# Altium PCB Seeed Case (113x70x25) - Alarm Interface (2560).PcbDoc (part 1 of 2)
Units mil, origin at the board's own origin, x right, y up, seen from the top; angles counter-clockwise.
Board outline 4320.68 x 2627.76 mil, 2 copper layers (Top Layer, Bottom Layer), stack 66.58 mil thick; 127 components, 103 nets, 521 pads, 183 vias.
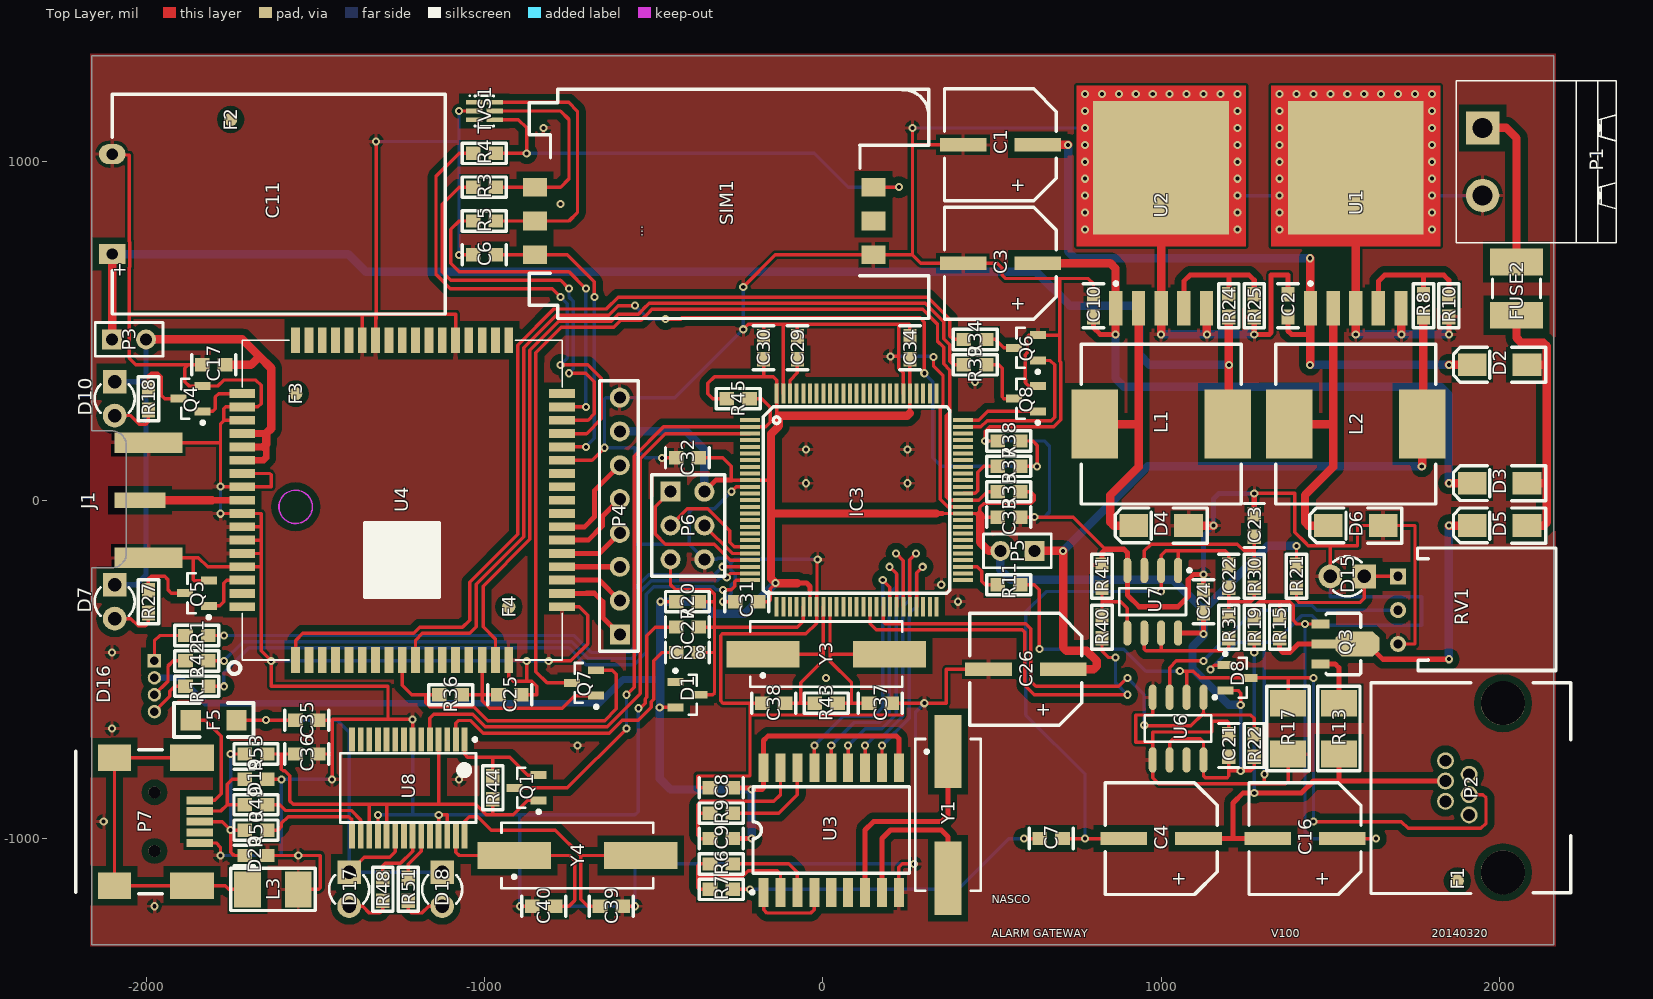
[diagram p0: Top Layer view]
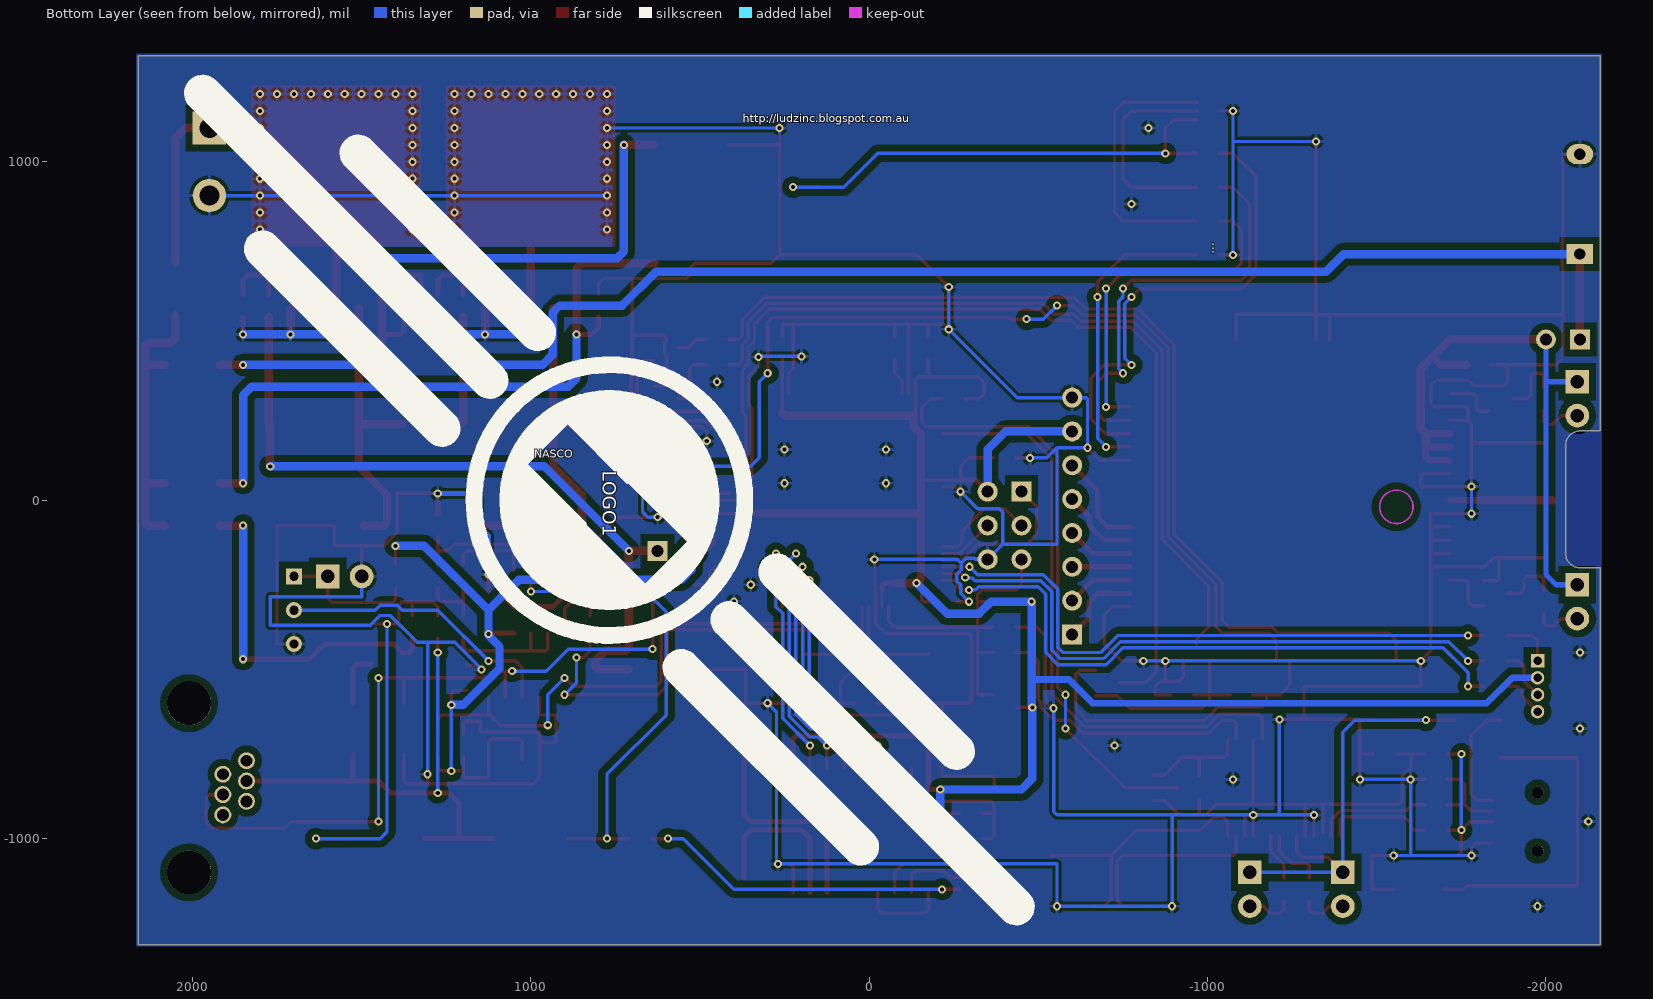
[diagram p1: Bottom Layer view, seen from below]

## Layer stack, top to bottom
Top Layer: signal copper 1.4
Dielectric: core 63.7795, FR-4, Dk 4.8
Bottom Layer: signal copper 1.4

## Board outline
-2160.34,-200.01 -2102.3,-200.01 ccw(c-2102.3,-155.63) -2057.92,-155.63 -2057.92,160.63 ccw(c-2102.3,160.63) -2102.3,205.01 -2160.34,205.01 -2160.34,1313.88 2160.34,1313.88 2160.34,-1313.88 -2160.34,-1313.88

## Design rules (kind name [scope] priority, off if disabled: settings)
Clearance Poly_GND [inPolygon vs not innet (gnd)] p1: gap=20
Clearance Poly_FIDUCIAL [inPolygon vs not innet (gnd)] p2: gap=39.37
Clearance [All] p3: gap=8
PolygonConnect [All] p1: connectstyle=Relief reliefconductorwidth=10 reliefentries=4 polygonreliefangle="90 Angle" airgapwidth=10
RoutingVias [All] p1: holewidth=12 width=24 viastyle="Through Hole" minholewidth=12 minwidth=24 maxholewidth=28 maxwidth=50
SolderMaskExpansion [All] p1: expansion=4
Width Standard [All] p1: maxlimit=25 minlimit=8 preferedwidth=8
Width Power [inNet('VIN')] p2: maxlimit=100 minlimit=8 preferedwidth=25
28 further rules are at their usual default settings.

## Classes and differential pairs
component class "NASCO Alarm Interface": LOGO1
component class "U_Mechanical Info": F1 F2 F3 F4 PLUG
component class "U_Power Supply": C1 C2 C3 C10 C11 C26 D2 D3 D4 D5 D6 FUSE2 L1 L2 P1 P3 P5 R8 R10 R24 R25 U1 U2
component class U_SIM900: C6 C17 C25 D7 D10 J1 P4 Q4 Q5 Q6 Q7 Q8 R3 R4 R5 R18 R27 R34 R35 R36 R37 R38 R39 SIM1 TVS1 U4
component class "U_Telephone Line Emulator": C4 C7 C8 C9 C16 C21 C22 C23 C24 D8 D15 P2 Q3 R6 R7 R9 R11 R13 R15 R17 R19 R21 R22 R30 R31 R40 R41 RV1 U3 U6 U7 Y1
component class U_ATMEGA2560: C27 C28 C29 C30 C31 C32 C33 C34 C37 C38 D1 D16 IC3 P6 R1 R12 R20 R42 R43 Y3
component class U_PL2303(HX): C35 C36 C39 C40 D17 D18 D19 D20 F5 L3 P7 Q1 R44 R45 R48 R49 R50 R51 R53 U8 Y4

## Components (designator, comment, footprint, x,y, rotation, side; value= is the part's Value field where it differs from the comment)
C1 "100uF" "CAP ELECTRO SIZE-E" 525,1050 r90 top
C2 "100nF" "CAP (3D) - 0603" 1375,575 r270 top
C3 "100uF" "CAP ELECTRO SIZE-E" 525,700 r90 top
C4 "100uF" "CAP ELECTRO SIZE-E" 1000,-1000 r90 top
C6 "100nF" "CAP (3D) - 0603" -1000,725 r0 top
C7 "100nF" "CAP (3D) - 0603" 675,-1000 r180 top
C8 "100nF" "CAP (3D) - 0603" -300,-850 r0 top
C9 "100nF" "CAP (3D) - 0603" -300,-1000 r0 top
C10 "100nF" "CAP (3D) - 0603" 800,575 r270 top
C11 "2700uF" "CAP D(16) L(20) P(7.5)" -2100,875 r270 top
C16 "100uF" "CAP ELECTRO SIZE-E" 1425,-1000 r90 top
C17 "100nF" "CAP (3D) - 0603" -1800,400 r0 top
C21 "100nF" "CAP (3D) - 0603" 1200,-725 r270 top
C22 "10nF" "CAP (3D) - 0603" 1200,-225 r270 top
C23 "10nF" "CAP (3D) - 0603" 1275,-75 r270 top
C24 "100nF" "CAP (3D) - 0603" 1125,-300 r270 top
C25 "100nF" "CAP (3D) - 0603" -925,-575 r180 top
C26 "100uF" "CAP ELECTRO SIZE-E" 600,-500 r90 top
C27 "100nF" "CAP (3D) - 0603" -400,-375 r180 top
C28 "100nF" "CAP (3D) - 0603" -400,-450 r180 top
C29 "100nF" "CAP (3D) - 0603" -75,450 r270 top
C30 "100nF" "CAP (3D) - 0603" -175,450 r270 top
C31 "100nF" "CAP (3D) - 0603" -225,-300 r0 top
C32 "100nF" "CAP (3D) - 0603" -400,125 r0 top
C33 "100nF" "CAP (3D) - 0603" 550,-50 r180 top
C34 "100nF" "CAP (3D) - 0603" 257.48,450 r270 top
C35 "100nF" "CAP (3D) - 0603" -1525,-650 r180 top
C36 "100nF" "CAP (3D) - 0603" -1525,-750 r180 top
C37 "22pF" "CAP (3D) - 0603" 170,-600 r180 top
C38 "22pF" "CAP (3D) - 0603" -145,-600 r0 top
C39 "22pF" "CAP (3D) - 0603" -625,-1200 r180 top
C40 "22pF" "CAP (3D) - 0603" -825,-1200 r0 top
D1 "BAV99" SOT23-3L -400,-575 r0 top
D2 "S1M" DO-214AC 2000,400 r180 top
D3 "S1M" DO-214AC 2000,50 r180 top
D4 "CD214A-B340LF" DO-214AC 1000,-75 r180 top
D5 "S1M" DO-214AC 2000,-75 r180 top
D6 "CD214A-B340LF" DO-214AC 1575,-75 r180 top
D7 "LED (RED)" "LED(3D) 3MM RIGHT ANGLE RED" -2092.86,-300 r90 top
D8 "BAV99" SOT23-3L 1225,-525 r0 top
D10 "LED (GREEN)" "LED(3D) 3MM RIGHT ANGLE GREEN" -2092.86,300 r90 top
D15 "LED (RED)" "LED 3MM" 1550,-225 r0 top
D16 "RGB 5mm" "LED(3D) 5MM RIGHT ANGLE (RGB) - COMMON ANODE" -1975,-550 r90 top
D17 "LED (RED)" "LED(3D) 3MM VERTICAL (RED)" -1400,-1150 r90 top
D18 "LED (GREEN)" "LED(3D) 3MM VERTICAL (GREEN)" -1125,-1150 r90 top
D19 "TVS" "TVS (3D) - 0603" -1675,-825 r0 top
D20 "TVS" "TVS (3D) - 0603" -1675,-1050 r0 top
F1 "Fiducial" FIDUCIAL 1875,-1125 r90 top
F2 "Fiducial" FIDUCIAL -1750,1125 r90 top
F3 "Fiducial" FIDUCIAL -1557.82,314.96 r90 top
F4 "Fiducial" FIDUCIAL -927.89,-314.96 r90 top
F5 "160mA" 1206 -1800,-650 r0 top
FUSE2 "500mA" "miniSMD Polyswitch" 2050,625 r270 top
IC3 "ATMEGA2560-16AU" TQFP100 100,0 r0 top
J1 "SMA" "SMA EDGE MOUNT" -2207.86,0 r0 top
L1 "Inductor" "INDUCTOR 12x12x8" 1000,225 r90 top
L2 "Inductor" "INDUCTOR 12x12x8" 1575,225 r90 top
L3 "BEAD" "RES (3D) - 1210" -1625,-1150 r0 top
LOGO1 "NASCO" NASCO_LOGO 775,0 r225 bottom
P1 "Power" "5.08MM HEADER 2 WAY RA- WITH SOCKET" 1950,1100 r270 top
P2 "PHONE" "MOLEXZ RJ11" 1875,-850 r270 top
P3 "Header 2" HDR1X2 -2100,475 r0 top
P4 "Header 8" "HDR1X8 (3D)" -600,-396.85 r90 top
P5 "Header 2" HDR1X2 625,-150 r180 top
P6 "Header 6" "HDR2X3 (3D)" -400,-75 r270 top
P7 "MINI USB" "MINI USB" -1975,-950 r270 top
Q1 "BSS138BK,215" SOT23-3L -875,-850 r180 top
Q3 "BCX56" SOT89 1525,-425 r270 top
Q4 "MMUN2211LT1" SOT23-3L -1867.86,300 r180 top
Q5 "MMUN2211LT1" SOT23-3L -1850,-275 r180 top
Q6 "MMUN2211LT1" SOT23-3L 600,450 r180 top
Q7 "BSS138BK,215" SOT23-3L -705,-540 r180 top
Q8 "MMUN2211LT1" SOT23-3L 600,300 r180 top
R1 "1k" "RES (3D) - 0603" -1850,-400 r0 top
R3 "22R" "RES (3D) - 0603" -1000,925 r180 top
R4 "22R" "RES (3D) - 0603" -1000,1025 r180 top
R5 "22R" "RES (3D) - 0603" -1000,825 r180 top
R6 "100k" "RES (3D) - 0603" -300,-1075 r180 top
R7 "100k" "RES (3D) - 0603" -300,-1150 r0 top
R8 "3k3" "RES (3D) - 0603" 1775,575 r90 top
R9 "300k" "RES (3D) - 0603" -300,-925 r0 top
R10 "1k" "RES (3D) - 0603" 1850,575 r270 top
R11 "0R" "RES (3D) - 0603" 550,-250 r0 top
R12 "22k" "RES (3D) - 0603" -1850,-550 r0 top
R13 "15R 1/2 WATT" "RES (3D) - 1210" 1525,-675 r90 top
R15 "10k" "RES (3D) - 0603" 1350,-375 r90 top
R17 "10R 1/2 WATT" "RES (3D) - 1210" 1375,-675 r90 top
R18 "470R" "RES (3D) - 0603" -1992.86,300 r90 top
R19 "10k" "RES (3D) - 0603" 1275,-375 r270 top
R20 "10k" "RES (3D) - 0603" -400,-300 r0 top
R21 "1k" "RES (3D) - 0603" 1400,-225 r270 top
R22 "10k" "RES (3D) - 0603" 1275,-725 r90 top
R24 "2k2" "RES (3D) - 0603" 1200,575 r90 top
R25 "1k" "RES (3D) - 0603" 1275,575 r270 top
R27 "470R" "RES (3D) - 0603" -1992.86,-300 r90 top
R30 "11k" "RES (3D) - 0603" 1275,-225 r270 top
R31 "11k" "RES (3D) - 0603" 1200,-375 r270 top
R34 "1k" "RES (3D) - 0603" 450,475 r0 top
R35 "10k" "RES (3D) - 0603" 550,25 r180 top
R36 "10k" "RES (3D) - 0603" -1100,-575 r180 top
R37 "22k" "RES (3D) - 0603" 550,100 r180 top
R38 "33k" "RES (3D) - 0603" 550,175 r0 top
R39 "1k" "RES (3D) - 0603" 450,400 r0 top
R40 "10k" "RES (3D) - 0603" 825,-375 r270 top
R41 "10k" "RES (3D) - 0603" 825,-225 r90 top
R42 "1k" "RES (3D) - 0603" -1850,-475 r0 top
R43 "1MEG" "RES (3D) - 0603" 10,-600 r180 top
R44 "10k" "RES (3D) - 0603" -975,-850 r90 top
R45 "10k" "RES (3D) - 0603" -250,300 r0 top
R48 "470R" "RES (3D) - 0603" -1300,-1150 r90 top
R49 "22R" "RES (3D) - 0603" -1675,-900 r180 top
R50 "22R" "RES (3D) - 0603" -1675,-975 r180 top
R51 "470R" "RES (3D) - 0603" -1225,-1150 r90 top
R53 "1k5" "RES (3D) - 0603" -1675,-750 r0 top
RV1 "10k" "TRIMPOT (10 TURN) - RIGHT ANGLE" 1700,-325 r270 top
SIM1 "FCI 7111S2015X02LF" "SIM CARD" -350,825 r180 top
TVS1 "SMF05C" SOT-363 -1000,1150 r270 top
U1 "LM2596" D2-PAK 1575,775 r0 top
U2 "LM2596" D2-PAK 1000,775 r0 top
U3 "MT8870DS" SOIC-18 25,-975 r0 top
U4 "SIM900" SIM900 -1242.86,0 r0 top
U6 "LM393AN" SO-8 1050,-675 r270 top
U7 "LMV932MA" SO-8 975,-300 r270 top
U8 "PL2303" SSOP28 -1225,-850 r180 top
Y1 "3.5795 MHz" HC49/4H_SMX 370,-930 r270 top
Y3 "16MHz" HC49/4H_SMX 10,-455 r0 top
Y4 "12MHz" HC49/4H_SMX -725,-1050 r0 top

## Footprints (in the part's own frame and the unit in brackets; to place one, negate y for a bottom-side part, rotate by r counter-clockwise, add the part's x,y. Pads: shape width x height; smd on the part's side, far side on the other; paste and mask are expansions set on the pad)
"5.08MM HEADER 2 WAY RA- WITH SOCKET" [mm] "PHOENIX CONTACT 1757019 & 1759017"
  rect 2.5x2.5 hole 1.5: 1(0,0)
  round 2.5 hole 1.5: 2(5.08,0)
  silkscreen extent -3.54,-1.98 8.62,10.02, body extent -2.54,-2.01 7.67,19.18, height 15.02
1206 [mil]
  rect 60x60 smd: 1(-67.5,0) 2(67.5,0)
  silkscreen extent -118,-50 118,50, body extent -63,-31 63,31, height 22
"CAP (3D) - 0603" [mm]
  rect 1.1x1 smd: 1(0.85,0) 2(-0.85,0)
  silkscreen extent -1.65,-0.76 1.65,0.76, body extent -0.8,-0.4 0.8,0.4, height 0.92
"CAP D(16) L(20) P(7.5)" [mm] "Polarized Capacitor (Radial); 2 Leads"
  rect 1.5x2 hole 0.85: 1(3.75,0)
  oval 1.5x2 hole 0.85: 2(-3.75,0)
  silkscreen extent -8.25,0 8.25,25, body extent -8.29,0 8.14,25, height 16.22
"CAP ELECTRO SIZE-E" [mm]
  rect 1x3.5 smd: 1(0,-2.8) 2(0,2.8)
  silkscreen extent -4.2,-4.2 4.2,4.2, body extent -4.15,-4.5 4.15,4.5, height 6.2
D2-PAK [mm] "D2-PAK; 5 Leads; Body 14.7 (inc. leads) x 10.2 mm (LxW max)"
  rect 1x2.6 smd: 1(-3.4,-5.275) 2(-1.7,-5.275) 3(0,-5.275) 4(1.7,-5.275) 5(3.4,-5.275)
  rect 10.2x10 smd: 6(0,5.275)
  Top Layer region: -6.349,-0.635 6.351,-0.635 6.351,11.43 -6.349,11.43
  silkscreen extent -3.52,-3.55 -3.28,-3.3, body extent -5,-5.99 5,9.68, height 4.81
DO-214AC [mil]
  rect 85x67 smd: 1(-81,0) 2(81,0)
  silkscreen extent -136,-52 136,52, body extent -79,-39 79,39, height 61
FIDUCIAL [mm]
  round 1 smd mask+1: 0(0,0)
HC49/4H_SMX [mm] "Quartz Crystal, SM; Body 13.4 (inc. leads) x 4.9 mm (LxW max)"
  rect 5.5x2 smd: 1(-4.75,0) 2(4.75,0)
  silkscreen extent -5.7,-2.45 5.7,2.45, body extent -6.36,-2.35 6.34,2.35, height 4.2
HDR1X2 [mm] "Connector; Header; 2 Position"
  rect 1.5x1.5 hole 0.9: 1(0,0)
  round 1.5 hole 0.9: 2(2.54,0)
  silkscreen extent -1.27,-1.27 3.81,1.27
"HDR1X8 (3D)" [mm] "Connector; Header; 8 Position"
  rect 1.5x1.5 hole 0.9: 1(0,0)
  round 1.5 hole 0.9: 2(2.54,0) 3(5.08,0) 4(7.62,0) 5(10.16,0) 6(12.7,0) 7(15.24,0) 8(17.78,0)
  silkscreen extent -1.27,-1.4 19.05,1.52, body extent -1.27,-1.4 19.05,1.52, height 8.53
"HDR2X3 (3D)" [mm]
  rect 1.5x1.5 hole 0.9: 1(-2.54,-1.27)
  round 1.5 hole 0.9: 2(-2.54,1.27) 3(0,-1.27) 4(0,1.27) 5(2.54,-1.27) 6(2.54,1.27)
  silkscreen extent -3.81,-2.67 3.81,2.79, body extent -3.81,-2.67 3.81,2.79, height 8.53
"INDUCTOR 12x12x8" [mm]
  rect 5.2x3.5 smd: 1(0,5) 2(0,-5)
  silkscreen extent -6,-6 6,6, body extent -6,-6 6,6, height 8.02
"LED 3MM" [mil]
  rect 70x70 hole 40: 1(50.06,-0.28)
  round 70 hole 40: 2(-49.94,-0.28)
  silkscreen extent -42,-59 42,59
"LED(3D) 3MM RIGHT ANGLE GREEN" [mil]
  rect 70x70 hole 40: 1(50.06,-0.28)
  round 70 hole 40: 2(-49.94,-0.28)
  silkscreen extent -42,-59 42,59, body extent -66,-55 61,239, height 144
"LED(3D) 3MM RIGHT ANGLE RED" [mil]
  rect 70x70 hole 40: 1(50.06,-0.28)
  round 70 hole 40: 2(-49.94,-0.28)
  silkscreen extent -42,-59 42,59, body extent -66,-53 61,241, height 144
"LED(3D) 3MM VERTICAL (GREEN)" [mil]
  rect 70x70 hole 40: 1(50.06,-0.28)
  round 70 hole 40: 2(-49.94,-0.28)
  silkscreen extent -42,-59 42,59, body extent -65,-65 61,64, height 196
"LED(3D) 3MM VERTICAL (RED)" [mil]
  rect 70x70 hole 40: 1(50.06,-0.28)
  round 70 hole 40: 2(-49.94,-0.28)
  silkscreen extent -42,-59 42,59, body extent -66,-66 61,64, height 207
"LED(3D) 5MM RIGHT ANGLE (RGB) - COMMON ANODE" [mil]
  rect 40x40 hole 25: 1(75,0)
  round 40 hole 25: 2(25,0) 3(-25,0) 4(-75,0)
  body extent -98,69 98,324, height 201
"MINI USB" [mm] "KEYSTONE ELECTRONICS 934"
  rect 2x3.3 smd: 0(-4.8,2.8) 0(4.8,2.8)
  rect 2x2.5 smd: 0(-4.8,-3) 0(4.8,-3)
  rect 0.6x2 smd: 1(-1.6,3.4) 2(-0.8,3.4) 3(0,3.4) 4(0.8,3.4) 5(1.6,3.4)
  round 0.89 hole 0.89 unplated: MT(-2.2,0) MT(2.2,0)
  silkscreen extent -5.4,-5.9 5.4,0.6, body extent -5.35,-5.9 5.35,3.3, height 3.97
"miniSMD Polyswitch" [mm] "RAYCHEM - MINISMDC050F-2"
  rect 2x4 smd: 1(-2,0) 2(2,0)
  silkscreen extent -0.7,-1.8 0.7,1.8, body extent -2.4,-1.7 2.4,1.7, height 0.62
"MOLEXZ RJ11" [mil] "438600020 (MOLEX RJ11)"
  round 130 hole 130 unplated: 0(-250,135) 0(250,135)
  round 50 hole 35: 1(-80,-35) 2(-40,35) 3(-20,-35) 4(20,35) 5(40,-35) 6(80,35)
  silkscreen extent -310,-255 312,335, body extent -310,-255 312,335, height 507
NASCO_LOGO [mil]
  silkscreen extent -1746,-395 1755,405
"RES (3D) - 0603" [mm]
  rect 1.1x1 smd: 1(0.85,0) 2(-0.85,0)
  silkscreen extent -1.65,-0.76 1.65,0.76, body extent -0.8,-0.4 0.8,0.4, height 0.92
"RES (3D) - 1210" [mm] "Chip Diode; Body 3.2 x 2.5 mm (LxW typ)"
  rect 2x2.7 smd: 1(-1.905,0) 2(1.905,0)
  silkscreen extent -3.17,-1.59 3.17,1.59, body extent -2,-1.24 2,1.24, height 1.7
SIM900 [mil] "SIM900 GPRS MODULE"
  rect 26x76 smd: 1(-314.96,-472.44) 2(-275.59,-472.44) 3(-236.22,-472.44) 4(-196.85,-472.44) 5(-157.48,-472.44) 6(-118.11,-472.44) 7(-78.74,-472.44) 8(-39.36,-472.44) 9(0.01,-472.44) 10(39.38,-472.44) 11(78.75,-472.44) 12(118.12,-472.44) 13(157.49,-472.44) 14(196.86,-472.44) 15(236.23,-472.44) 16(275.6,-472.44) 17(314.97,-472.44) 35(314.97,472.44) 36(275.6,472.44) 37(236.23,472.44) 38(196.86,472.44) 39(157.49,472.44) 40(118.12,472.44) 41(78.75,472.44) 42(39.38,472.44) 43(0.01,472.44) 44(-39.36,472.44) 45(-78.74,472.44) 46(-118.11,472.44) 47(-157.48,472.44) 48(-196.85,472.44) 49(-236.22,472.44) 50(-275.59,472.44) 51(-314.96,472.44)
  rect 76x26 smd: 18(472.45,-314.96) 19(472.45,-275.59) 20(472.45,-236.22) 21(472.45,-196.85) 22(472.45,-157.48) 23(472.45,-118.11) 24(472.45,-78.74) 25(472.45,-39.37) 26(472.45,0) 27(472.45,39.37) 28(472.45,78.74) 29(472.45,118.11) 30(472.45,157.48) 31(472.45,196.85) 32(472.45,236.22) 33(472.45,275.59) 34(472.45,314.96) 52(-472.44,314.96) 53(-472.44,275.59) 54(-472.44,236.22) 55(-472.44,196.85) 56(-472.44,157.48) 57(-472.44,118.11) 58(-472.44,78.74) 59(-472.44,39.37) 60(-472.44,0) 61(-472.44,-39.37) 62(-472.44,-78.74) 63(-472.44,-118.11) 64(-472.44,-157.48) 65(-472.44,-196.85) 66(-472.44,-236.22) 67(-472.44,-275.59) 68(-472.44,-314.96)
  Keep-Out Layer circle w5: c-314.96,-19.69 r49.33
  silkscreen extent -514,-514 472,472, body extent -472,-472 472,472, height 119
"SIM CARD" [mm] "FCI 7111S2015X02LF"
  rect 1.8x1.4 smd: C1(12.7,2.54) C2(12.7,0) C3(12.7,-2.54) C5(-12.7,2.54) C6(-12.7,0) C7(-12.7,-2.54)
  silkscreen extent -16.87,-9.88 13.15,7.32, body extent -16.85,-9.88 13.15,7.32, height 2.27
"SMA EDGE MOUNT" [mil]
  rect 150x45 smd: 1(190,0)
  rect 200x60 smd: 2(215,-170) 2(215,170)
  body extent -244,-187 300,187, height 161
SO-8 [mm] "SOIC, 8-Leads, Body 4.9x3.9mm, Pitch 1.27mm, IPC High Density"
  oval 1.9x0.6 smd: 1(-2.35,1.905) 2(-2.35,0.635) 3(-2.35,-0.635) 4(-2.35,-1.905) 5(2.35,-1.905) 6(2.35,-0.635) 7(2.35,0.635) 8(2.35,1.905)
  silkscreen extent -2.47,-2.5 1,2.88, body extent -2.9,-2.45 3.1,2.45, height 1.75
SOIC-18 [mil]
  rect 30x85 smd: 1(-200,-184.05) 2(-150,-184.05) 3(-100,-184.05) 4(-50,-184.05) 5(0,-184.05) 6(50,-184.05) 7(100,-184.05) 8(150,-184.05) 9(200,-184.05) 10(200,184.06) 11(150,184.06) 12(100,184.06) 13(50,184.06) 14(0,184.06) 15(-50,184.06) 16(-100,184.06) 17(-150,184.06) 18(-200,184.06)
  silkscreen extent -238,-189 231,128, body extent -236,-148 236,148, height 100
SOT23-3L [mm] "SOT23, 3-Leads, Body 2.9x1.3mm, Pitch 0.95mm, Lead Span 2.5mm, IPC High Density"
  rect 1.2x0.6 smd: 1(-0.9,0.95) 2(-0.9,-0.95) 3(0.9,0)
  silkscreen extent -1.02,-1.5 0.7,1.92, body extent -1.25,-1.5 1.25,1.5, height 1.12
SOT89 [mm]
  rect 0.7x1.35 smd: 1(1.5,-1.388) 3(-1.5,-1.388)
  rect 0.7x1.8 smd: 2(0,-1.163)
  oct 1.9x3.3 smd: 2(0,1.388)
  silkscreen extent -2.3,-0.97 2.3,1.63, body extent -2.3,-1.9 2.3,2.35, height 1.62
SOT-363 [mm] "SOT-363/SC-88; 6 Leads; Body 2.2 x 2.2 mm, inc. leads (LxW max)"
  rect 0.35x1.25 smd: 1(-0.65,-0.775) 2(0,-0.775) 3(0.65,-0.775) 4(0.65,0.775) 5(0,0.775) 6(-0.65,0.775)
  silkscreen extent -1.2,-1.15 1.15,0.7, body extent -1.05,-1.15 1.05,1.15, height 1
SSOP28 [mil]
  rect 17x72 smd: 1(-166.34,-142.72) 2(-140.75,-142.72) 3(-115.16,-142.72) 4(-89.57,-142.72) 5(-63.98,-142.72) 6(-38.39,-142.72) 7(-12.8,-142.72) 8(12.8,-142.72) 9(38.38,-142.72) 10(63.97,-142.72) 11(89.56,-142.72) 12(115.15,-142.72) 13(140.74,-142.72) 14(166.33,-142.72) 15(166.33,142.72) 16(140.74,142.72) 17(115.15,142.72) 18(89.56,142.72) 19(63.97,142.72) 20(38.38,142.72) 21(12.8,142.72) 22(-12.8,142.72) 23(-38.39,142.72) 24(-63.98,142.72) 25(-89.57,142.72) 26(-115.16,142.72) 27(-140.75,142.72) 28(-166.34,142.72)
  silkscreen extent -205,-148 201,102, body extent -203,-153 203,153, height 85
TQFP100 [mm]
  rect 1.5x0.3 smd: 1(-8,6) 2(-8,5.5) 3(-8,5) 4(-8,4.5) 5(-8,4) 6(-8,3.5) 7(-8,3) 8(-8,2.5) 9(-8,2) 10(-8,1.5) 11(-8,1) 12(-8,0.5) 13(-8,0) 14(-8,-0.5) 15(-8,-1) 16(-8,-1.5) 17(-8,-2) 18(-8,-2.5) 19(-8,-3) 20(-8,-3.5) 21(-8,-4) 22(-8,-4.5) 23(-8,-5) 24(-8,-5.5) 25(-8,-6) 51(8,-6) 52(8,-5.5) 53(8,-5) 54(8,-4.5) 55(8,-4) 56(8,-3.5) 57(8,-3) 58(8,-2.5) 59(8,-2) 60(8,-1.5) 61(8,-1) 62(8,-0.5) 63(8,0) 64(8,0.5) 65(8,1) 66(8,1.5) 67(8,2) 68(8,2.5) 69(8,3) 70(8,3.5) 71(8,4) 72(8,4.5) 73(8,5) 74(8,5.5) 75(8,6)
  rect 0.3x1.5 smd: 26(-6,-8) 27(-5.5,-8) 28(-5,-8) 29(-4.5,-8) 30(-4,-8) 31(-3.5,-8) 32(-3,-8) 33(-2.5,-8) 34(-2,-8) 35(-1.5,-8) 36(-1,-8) 37(-0.5,-8) 38(0,-8) 39(0.5,-8) 40(1,-8) 41(1.5,-8) 42(2,-8) 43(2.5,-8) 44(3,-8) 45(3.5,-8) 46(4,-8) 47(4.5,-8) 48(5,-8) 49(5.5,-8) 50(6,-8) 76(6,8) 77(5.5,8) 78(5,8) 79(4.5,8) 80(4,8) 81(3.5,8) 82(3,8) 83(2.5,8) 84(2,8) 85(1.5,8) 86(1,8) 87(0.5,8) 88(0,8) 89(-0.5,8) 90(-1,8) 91(-1.5,8) 92(-2,8) 93(-2.5,8) 94(-3,8) 95(-3.5,8) 96(-4,8) 97(-4.5,8) 98(-5,8) 99(-5.5,8) 100(-6,8)
  silkscreen extent -7,-7 7,7, body extent -8.01,-8.01 8.01,8.01, height 1.1
"TRIMPOT (10 TURN) - RIGHT ANGLE" [mm] "Thru-Hole; 3 Leads"
  rect 1.2x1.2 hole 0.7: 1(-2.54,0)
  round 1.2 hole 0.7: 2(0,0) 3(2.54,0)
  silkscreen extent -4.66,1.46 4.54,11.86, body extent -4.6,-4 4.6,13.5, height 4.72
"TVS (3D) - 0603" [mm]
  rect 1.1x1 smd: 1(0.85,0) 2(-0.85,0)
  silkscreen extent -1.65,-0.76 -0.13,0.76, body extent -0.8,-0.4 0.8,0.4, height 0.72

## Part data
C1 C3 C4 C16 C26: library part "100uF 25V ALU E", "100uF 25V"
C2 C10 C17: library part CAP, "CAPACITOR SMD 0603"
C6 C22 C23 C27 C28 C29 C30 C31 C32 C33 C34 C35 C36: library part "CAP SMD 0603 100nF", "CAPACITOR SMD 0603"
C7 C8 C9 C21 C24: library part CAP, "CAPACITOR SMD 0402"
C11: library part "1000uF 10V ALU G_1", "1000uF 10V"
C25 C37 C38 C39 C40: library part "CAP SMD 0603 1nF", "CAPACITOR SMD 0603"
D1 D8: "DUAL DIODE, BAV99"
D2 D3 D5: library part DIODE, "DIODE, POWER"
D4 D6: "CD214A-B340LF 3A SCHOTTKY (40V RB)"
D7 D15 D17: library part "LED 3mm RED", "3mm RED LED"
D10 D18: library part "LED 3mm GREEN", "3mm GREEN LED"
D16: library part RGB_5mm
D19 D20: library part "TVS DIODE", "Transient Voltage Suppression (TVS) Diode"
F5: library part "Fuse 2", "Fuse"
FUSE2: library part "POLYSWITCH 500mA", "POLYSWITCH 500mA"
IC3: library part ATMEGA25602560-16AU
J1: library part "SMA 142-0701-801", "JOHNSON / EMERSON SMA PCB EDGE"
L3: library part "INDUCTOR SMD 1210 100uH", "INDUCTOR SMD 1210"
LOGO1: library part NASCO_LOGO, "Quad 2-Input OR Gate"
P1: library part "Header 2H", "Header, 2-Pin, Right Angle"
P2: library part "Header 6", "Header, 6-Pin"
P3 P5: "Header, 2-Pin"
P4: "Header, 8-Pin"
P6: "Header, 6-Pin"
P7: library part "MICRO USB", "MICRO USB"
Q1 Q7: library part "BSS138BK,215 SOT23", "N-Channel MOSFET"
Q3: "NPN Bipolar Transistor"
Q4 Q5 Q6 Q8: library part "MMUN221LT1 NPN DIGITAL TRANSISTOR"
R1 R8 R10 R12 R24 R25 R42: library part "RES SMD 0603 10k", "RESISTOR SMD 0603"
R3 R4 R5 R11 R43 R49 R50 R53: library part "RES SMD 0603 0R", "RESISTOR SMD 0603 0R"
R6 R7 R9 R13 R17 R22: library part "RES SMD 0603 100R", "RESISTOR SMD 0603"
R15 R19 R20 R35 R36 R44 R45: library part "RES SMD 0603 10k", "RESISTOR SMD 0603 10k"
R18 R27 R48 R51: library part "RES SMD 0603 590R", "RESISTOR SMD 0603 590R"
R21 R30 R31 R34 R37 R38 R39 R40 R41: library part "RES SMD 0603 1k", "RESISTOR SMD 0603 1k"
RV1: library part "VAR (POT) SMD", "Variable Resistor"
SIM1: "FCI 7111S2015X02LF SIM CARD HOLDER"
U1 U2: library part LM2576D2T-ADJ, "Easy Switcher 3.0A Step-Down Voltage Regulator"
U3: library part MT8870, "MT8870 DTMF DECODER"
U6: "Dual Comparator"
U7: library part LMV932MA/NOPB, "Low Power Dual Operational Amplifier, 8-pin Narrow SOIC"
U8: "PL2303 USB to 232 Converter (FT232 Compatible)"
Y1 Y3 Y4: library part XTAL, "Crystal Oscillator"

## Via types
v1: diameter 24, hole 12, Top Layer to Bottom Layer, 183 vias

## Nets (pads, with @x,y where several pads share a name; then routed paths per layer and width w, separated by ;. In a path a pad name is that pad's centre, name@x,y a point inside that pad or via, vN(x,y) a via of type N, cw(c..) or ccw(c..) an arc to the next point about the centre after c; other vN are vias at no path point)
3V3: C36.1 Q1.1 R44.2 R53.1 U8.4 U8.17 U8.19 | length 1419.1
  Top Layer w10: R53.1@-1641.54,-750 -1600,-750 ; C36.1@-1558.46,-750 -1600,-750 ; U8.17@-1340.15,-980 -1340.15,-899.15 -1340,-899 ; U8.19@-1288.97,-992.72 -1288.97,-900.03 -1290,-899 ; U8.4@-1135.43,-707.28 -1135.43,-899 ; R44.2@-975,-883.46 -975,-930 ; Q1.1@-839.57,-887.4 -872.4,-887.4 -915,-930 -975,-930 ; -1600,-750 -1600,-795 -1595,-800 -1589.64,-800 -1575,-814.64 -1575,-889 -1565,-899 -1340,-899 ; -1340,-899 -1290,-899 ; -1290,-899 -1135.43,-899 ; -1135.43,-899 -1026,-899 -995,-930 -975,-930
4V: C11.1 L1.2 P3.1 R24.2 | length 4069.6
  Top Layer w25: P3.1@-2100,475 C11.1@-2100,727.36 ; L1.2@1200,228.15 R24.2@1200,541.54
  Bottom Layer w25: C11.1@-2100,727.36 -1402.36,727.36 -1350,675 630,675 730,575 915,575 935,555 935,430 965,400 v1@1195,400
  other v1: 1200,400
5V: C8.1 C9.1 C21.1 C24.1 C30.1 C31.1 C32.1 C33.1 C34.1 D1.2 D8.2 D16.2 IC3.10 IC3.31 IC3.61 IC3.80 IC3.100 P4.7 P5.2 P6.2 R20.2 R21.2 R22.2 R35.2 R45.2 U3.10 U3.18 U6.6 U6.8 U7.8 | length 9812.7
  Top Layer w10: v1(-481.97,-612.4) D1.2@-435.43,-612.4 ; v1(-480,-300) R20.2@-433.46,-300 ; C32.1@-366.54,125 -295,125 -270,100 -270,60 -269.06,59.06 IC3.10@-214.96,59.06 -154.05,59.06 -153.11,60 ; R45.2@-283.46,300 -325,300 -340,315 -340,345 -320,365 -175,365 ; C31.1@-191.54,-300 -160.13,-300 -155.13,-295 -155.13,-262.13 v1@-140,-247 ; C30.1@-175,416.54 -175,365 ; -129.5,250 -136.22,250 IC3.100@-136.22,314.96 -136.22,355 -146.22,365 -175,365 ; IC3.31@-37.79,-314.96 -37.79,-265 ; 257.48,257.48 IC3.80@257.48,314.96 C34.1@257.48,416.54 ; 354.33,-39.37 IC3.61@414.97,-39.37 464.37,-39.37 ; C33.1@516.54,-50 475,-50 464.37,-39.37 ; R35.2@583.46,25 615,25 625,15 625,0 615,-10 475.91,-10 464.37,-21.54 464.37,-39.37 ; U6.6@1025,-767.52 1025,-715 1035,-705 1115,-705 1125,-715 U6.8@1125,-767.52 1125,-815 1130,-820 1195,-820 1200,-815 1200,-800 ; D8.2@1189.57,-562.4 1227.4,-562.4 1235,-570 v1(1235,-605) ; C21.1@1200,-758.46 1200,-800 ; R22.2@1275,-758.46 1275,-790 1265,-800 v1(1235,-800) 1200,-800 ; R21.2@1400,-191.54 v1(1400,-135)
  Top Layer w15: P6.2@-350,25 -315,60 -270,60 ; C9.1@-266.54,-1000 v1(-210,-1000) ; C8.1@-266.54,-850 -215,-850 v1(-210,-855) -180,-855 -175,-850 U3.18@-175,-790.94 -175,-710 -162.5,-697.5 217.5,-697.5 225,-705 U3.10@225,-790.94 ; -75,-245 -47.79,-245 -37.79,-255 -37.79,-265 ; 335,-39.37 354.33,-39.37 ; U7.8@1050,-392.52 1122.52,-392.52 v1(1125,-395) C24.1@1125,-333.46
  Top Layer w25: -75,-245 v1(-140,-245) -153.11,-231.89 -153.11,-39.37 ; 257.48,257.48 250,250 -129.5,250 -129.5,219.44 -153.11,195.83 -153.11,60 -153.11,-39.37 ; 335,-39.37 -153.11,-39.37 ; 464.37,-43.4 465,-44.03 465,-125 490,-150 P5.2@525,-150
  Bottom Layer w10: v1(1235,-800) v1(1235,-605)
  Bottom Layer w20: D16.2@-1975,-525 -1900,-525 -1825,-600 -660,-600 -590,-530 -480,-530
  Bottom Layer w25: P4.7@-600,203.15 -403.15,203.15 -350,150 P6.2@-350,25 ; v1(-210,-1000) v1(-210,-855) -450,-855 -481.97,-823.03 v1(-481.97,-612.4) -480,-610.43 -480,-530 v1(-480,-300) -360,-300 -325,-335 -230,-335 v1(-140,-245) ; P5.2@525,-150 525,-205 555,-235 1035,-235 1125,-325 ; v1(1235,-605) 1200,-605 1092.5,-497.5 1092.5,-432.5 1125,-400 v1(1125,-395) 1125,-325 ; v1(1400,-135) 1315,-135 1125,-325
B1: D16.4 R12.2 | length 131.4
  Top Layer w10: D16.4@-1975,-625 -1930,-580 -1930,-565 -1915,-550 R12.2@-1883.46,-550
BLUE: IC3.24 R42.1 | length 1851.1
  Top Layer w10: R42.1@-1816.54,-475 v1(-1770,-475) ; v1(-283.85,-228.85) -271.53,-216.53 IC3.24@-214.96,-216.53
  Bottom Layer w10: v1(-1770,-475) -1713,-418 -742.46,-418 -692.46,-468 -565.04,-468 -539.47,-442.43 -539.47,-269.93 -507.54,-238 -312.54,-238 -304.54,-230 -285,-230 v1(-283.85,-228.85)
C2: R5.2 SIM1.C2 TVS1.6 | length 807
  Top Layer w10: TVS1.6@-969.49,1175.59 -750.59,1175.59 -725,1150 -725,850 -750,825 SIM1.C2@-850,825 R5.2@-966.54,825
C3: R3.2 SIM1.C3 TVS1.5 | length 631.7
  Top Layer w10: TVS1.5@-969.49,1150 -775,1150 -750,1125 -750,950 -775,925 SIM1.C3@-850,925 R3.2@-966.54,925
C7: R4.2 SIM1.C7 TVS1.4 | length 1487.6
  Top Layer w10: TVS1.4@-969.49,1124.41 -899.41,1124.41 -875,1100 v1(-875,1025) -900,1025 R4.2@-966.54,1025 ; SIM1.C7@150,925 v1(225,925)
  Bottom Layer w10: v1(-875,1025) -25,1025 75,925 v1(225,925)
DTMF_0: IC3.47 U3.11 | length 769.5
  Top Layer w10: U3.11@175,-790.94 v1(175,-725) ; IC3.47@277.17,-314.96 277.17,-214.96 v1(295.28,-196.85)
  Bottom Layer w10: v1(175,-725) 255.91,-644.09 255.91,-334.65 275.59,-314.96 275.59,-216.54 v1(295.28,-196.85)
DTMF_1: IC3.46 U3.12 | length 875.2
  Top Layer w10: U3.12@125,-790.94 v1(125,-725) ; IC3.46@257.48,-314.96 257.48,-175.59 v1(275.59,-157.48)
  Bottom Layer w10: v1(125,-725) 150,-700 174.54,-700 236.22,-638.32 236.22,-314.96 255.91,-295.28 255.91,-177.17 v1(275.59,-157.48)
DTMF_2: IC3.45 U3.13 | length 903.4
  Top Layer w10: U3.13@75,-790.94 v1(75,-725) ; v1(216.54,-157.48) 237.8,-178.74 IC3.45@237.8,-314.96
  Bottom Layer w10: v1(75,-725) 125,-675 174.09,-675 216.54,-632.55 216.54,-295.28 236.22,-275.59 236.22,-177.17 v1(216.54,-157.48)
DTMF_3: IC3.44 U3.14 | length 851.6
  Top Layer w10: U3.14@25,-790.94 v1(25,-725) ; v1(196.85,-196.85) 218.11,-218.11 IC3.44@218.11,-314.96
  Bottom Layer w10: v1(25,-725) 93,-657 166.63,-657 196.85,-626.78 196.85,-275.59 216.54,-255.91 216.54,-216.54 v1(196.85,-196.85)
G1: D16.3 R42.2 | length 159.3
  Top Layer w10: D16.3@-1975,-575 -1935,-535 -1935,-490 -1920,-475 R42.2@-1883.46,-475